# Altium PCB isg_eos_control_board_xem3001.PcbDoc (part 2 of 2)
Units mil, origin at the board's own origin, x right, y up, seen from the top; angles counter-clockwise.
Board outline 9600 x 4600 mil, 4 copper layers (Top Layer, MidLayer 1, MidLayer 2, Bottom Layer), stack 23.756 mil thick; 157 components, 171 nets, 862 pads, 253 vias.
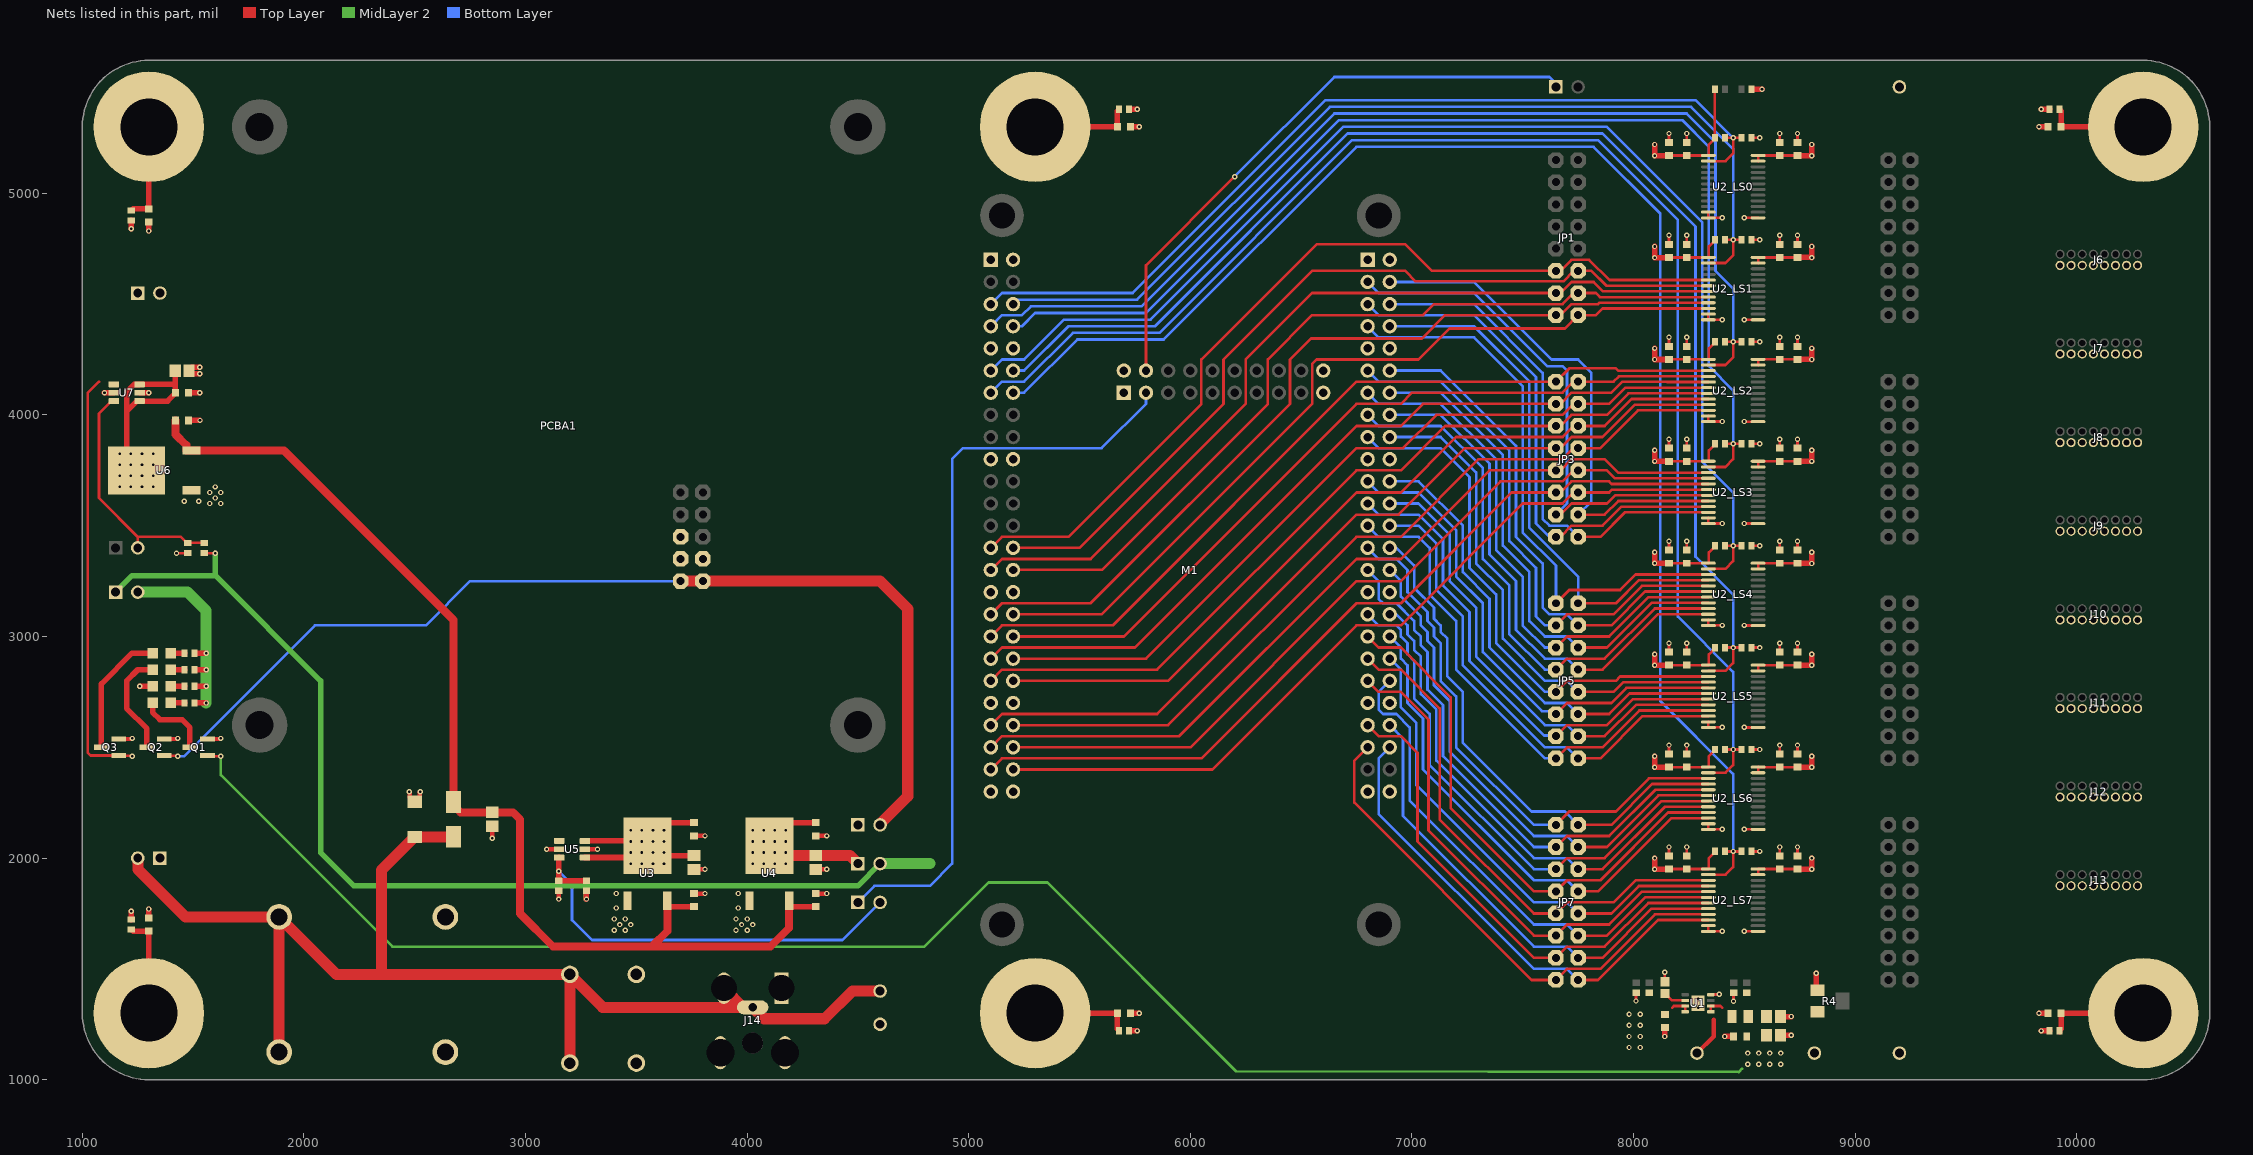
[diagram p4: the nets of this part, all layers, seen from the top]

## Via types
v1: diameter 24, hole 11.81, Top Layer to Bottom Layer, tented both sides, 253 vias

## Nets (pads, with @x,y where several pads share a name; then routed paths per layer and width w, separated by ;. In a path a pad name is that pad's centre, name@x,y a point inside that pad or via, vN(x,y) a via of type N, cw(c..) or ccw(c..) an arc to the next point about the centre after c; other vN are vias at no path point) (continued)
FPGA_IO_10: JP1.11 M1.Y27 U2_LS1.5 | length 4030.8
  Top Layer w12: M1.Y27@5100,3400 5150,3450 5450,3450 6050,4050 6050,4250 6570,4770 6970,4770 7090,4650 JP1.11@7650,4650 7670,4650 7720,4700 7800,4700 7891.61,4608.39 U2_LS1.5@8337.8,4608.39
FPGA_IO_11: JP1.12 M1.Y28 U2_LS1.6 | length 3839.5
  Top Layer w12: M1.Y28@5200,3400 5500,3400 6150,4050 6150,4250 6550,4650 6970,4650 7017,4603 7683,4603 7730,4650 JP1.12@7750,4650 7810,4650 7877.2,4582.8 U2_LS1.6@8337.8,4582.8
FPGA_IO_12: JP1.13 M1.Y29 U2_LS1.7 | length 3911.2
  Top Layer w12: M1.Y29@5100,3300 5150,3350 5550,3350 6250,4050 6250,4250 6550,4550 JP1.13@7650,4550 7670,4550 7720,4600 7820,4600 7862.8,4557.2 U2_LS1.7@8337.8,4557.2
FPGA_IO_13: JP1.14 M1.Y30 U2_LS1.8 | length 3780.3
  Top Layer w12: M1.Y30@5200,3300 5200.5,3300.5 5600.5,3300.5 6350,4050 6350,4250 6550,4450 7050,4450 7100,4500 7680,4500 7730,4550 JP1.14@7750,4550 7830,4550 7848.39,4531.61 U2_LS1.8@8337.8,4531.61
FPGA_IO_14: JP1.15 M1.Y33 U2_LS1.9 | length 3937.3
  Top Layer w12: M1.Y33@5100,3100 5150,3150 5550,3150 6450,4050 6450,4250 6544.5,4344.5 7044.5,4344.5 7150,4450 JP1.15@7650,4450 7670,4450 7720,4500 7840,4500 7846.02,4506.02 U2_LS1.9@8337.8,4506.02
FPGA_IO_15: JP1.16 M1.Y34 U2_LS1.10 | length 3815
  Top Layer w12: M1.Y34@5200,3100 5600,3100 6550,4050 6550,4230 6570,4250 7030,4250 7170,4390 7690,4390 JP1.16@7750,4450 7830,4450 7860.43,4480.43 U2_LS1.10@8337.8,4480.43
FPGA_IO_16: JP3.1 M1.Y35 U2_LS2.3 | length 3743.3
  Top Layer w12: M1.Y35@5100,3000 5150,3050 5650,3050 6750,4150 JP3.1@7650,4150 7710,4210 7920,4210 7930.43,4199.57 U2_LS2.3@8337.8,4199.57
FPGA_IO_17: JP3.2 M1.Y36 U2_LS2.4 | length 3624.1
  Top Layer w12: M1.Y36@5200,3000 5700,3000 6750,4050 6950,4050 7000,4100 7680,4100 7730,4150 JP3.2@7750,4150 7910,4150 7933.98,4173.98 U2_LS2.4@8337.8,4173.98
FPGA_IO_18: JP3.3 M1.Y37 U2_LS2.5 | length 3756.2
  Top Layer w12: M1.Y37@5100,2900 5150,2950 5750,2950 6750,3950 6950,3950 7050,4050 JP3.3@7650,4050 7670,4050 7720,4100 7900,4100 7950,4150 8149.56,4150 8151.18,4148.39 U2_LS2.5@8337.8,4148.39
FPGA_IO_19: JP3.4 M1.Y38 U2_LS2.6 | length 3644.3
  Top Layer w12: M1.Y38@5200,2900 5800,2900 6750,3850 6960,3850 7110,4000 7680,4000 7730,4050 JP3.4@7750,4050 7890,4050 7962.8,4122.8 U2_LS2.6@8337.8,4122.8
FPGA_IO_20: JP3.5 M1.Y39 U2_LS2.7 | length 3775.1
  Top Layer w12: M1.Y39@5100,2800 5150,2850 5850,2850 6750,3750 6950,3750 7150,3950 JP3.5@7650,3950 7670,3950 7720,4000 7880,4000 7977.2,4097.2 U2_LS2.7@8337.8,4097.2
FPGA_IO_21: JP3.6 M1.Y40 U2_LS2.8 | length 3664.5
  Top Layer w12: M1.Y40@5200,2800 5900,2800 6750,3650 6950,3650 7200,3900 7680,3900 7730,3950 JP3.6@7750,3950 7870,3950 7991.61,4071.61 U2_LS2.8@8337.8,4071.61
FPGA_IO_22: JP3.7 M1.Y43 U2_LS2.9 | length 3836.8
  Top Layer w12: M1.Y43@5100,2600 5150,2650 5850,2650 6750,3550 6940,3550 7240,3850 JP3.7@7650,3850 7670,3850 7720,3900 7860,3900 8006.02,4046.02 U2_LS2.9@8337.8,4046.02
FPGA_IO_23: JP3.8 M1.Y44 U2_LS2.10 | length 3726.2
  Top Layer w12: M1.Y44@5200,2600 5900,2600 6750,3450 6950,3450 7300,3800 7680,3800 7730,3850 JP3.8@7750,3850 7850,3850 8020.43,4020.43 U2_LS2.10@8337.8,4020.43
FPGA_IO_24: JP3.9 M1.Y45 U2_LS3.3 | length 3801.3
  Top Layer w12: M1.Y45@5100,2500 5150,2550 5950,2550 6750,3350 6950,3350 7350,3750 JP3.9@7650,3750 7670,3750 7720,3800 7870,3800 7930.43,3739.57 U2_LS3.3@8337.8,3739.57
FPGA_IO_25: JP3.10 M1.Y46 U2_LS3.4 | length 3670.5
  Top Layer w12: M1.Y46@5200,2500 6000,2500 6750,3250 6950,3250 7400,3700 7680,3700 7730,3750 JP3.10@7750,3750 7880,3750 7916.02,3713.98 U2_LS3.4@8337.8,3713.98
FPGA_IO_26: JP3.11 M1.Y47 U2_LS3.5 | length 3781.1
  Top Layer w12: M1.Y47@5100,2400 5150,2450 6050,2450 6750,3150 6950,3150 7450,3650 JP3.11@7650,3650 7670,3650 7720,3700 7890,3700 7901.61,3688.39 U2_LS3.5@8337.8,3688.39
FPGA_IO_27: JP3.12 M1.Y48 U2_LS3.6 | length 3660.9
  Top Layer w12: M1.Y48@5200,2400 6100,2400 6750,3050 6950,3050 7500,3600 7680,3600 7730,3650 JP3.12@7750,3650 7890,3650 7902.8,3662.8 U2_LS3.6@8337.8,3662.8
FPGA_IO_28: JP3.13 M1.X3 U2_LS3.7 | length 2460.3
  Top Layer w12: JP3.13@7650,3550 7670,3550 7720,3600 7880,3600 7917.2,3637.2 U2_LS3.7@8337.8,3637.2
  Bottom Layer w12: M1.X3@6800,4600 6850,4550 7280,4550 7610,4220 7680,4220 7700,4200 7700,3600 JP3.13@7650,3550
FPGA_IO_29: JP3.14 M1.X4 U2_LS3.8 | length 2378
  Top Layer w12: JP3.14@7730,3550 JP3.14@7750,3550 7870,3550 7931.61,3611.61 U2_LS3.8@8337.8,3611.61
  Bottom Layer w12: M1.X4@6900,4600 7280,4600 7630,4250 7750,4250 7810,4190 7810,3610 JP3.14@7750,3550
FPGA_IO_30: JP3.15 M1.X5 U2_LS3.9 | length 2415.7
  Top Layer w12: JP3.15@7650,3450 7670,3450 7720,3500 7860,3500 7946.02,3586.02 U2_LS3.9@8337.8,3586.02
  Bottom Layer w12: M1.X5@6800,4500 6850,4450 7280,4450 7560,4170 7560,3510 7620,3450 JP3.15@7650,3450
FPGA_IO_31: JP3.16 M1.X6 U2_LS3.10 | length 2305.1
  Top Layer w12: JP3.16@7750,3450 7850,3450 7960.43,3560.43 U2_LS3.10@8337.8,3560.43
  Bottom Layer w12: M1.X6@6900,4500 7280,4500 7590,4190 7590,3530 7620,3500 7700,3500 JP3.16@7750,3450
FPGA_IO_32: JP5.1 M1.X7 U2_LS4.3 | length 2595.8
  Top Layer w12: JP5.1@7650,3150 7710,3210 7940,3210 8010,3280 8135.15,3280 8135.59,3279.57 U2_LS4.3@8337.8,3279.57
  Bottom Layer w12: M1.X7@6800,4400 6850,4350 7280,4350 7500,4130 7500,3470 7650,3320 JP5.1@7650,3150
FPGA_IO_33: JP5.2 M1.X8 U2_LS4.4 | length 2455.5
  Top Layer w12: JP5.2@7750,3150 7920,3150 8023.98,3253.98 U2_LS4.4@8337.8,3253.98
  Bottom Layer w12: M1.X8@6900,4400 7280,4400 7530,4150 7530,3490 7750,3270 JP5.2@7750,3150
FPGA_IO_34: JP5.3 M1.X11 U2_LS4.5 | length 2457.1
  Top Layer w12: JP5.3@7650,3050 7700,3100 7910,3100 8038.39,3228.39 U2_LS4.5@8337.8,3228.39
  Bottom Layer w12: M1.X11@6800,4200 6850,4150 7130,4150 7440,3840 7440,3430 7560,3310 7560,3090 7600,3050 JP5.3@7650,3050
FPGA_IO_35: JP5.4 M1.X12 U2_LS4.6 | length 2334.8
  Top Layer w12: JP5.4@7750,3050 7900,3050 8052.8,3202.8 U2_LS4.6@8337.8,3202.8
  Bottom Layer w12: M1.X12@6900,4200 7130,4200 7470,3860 7470,3450 7590,3330 7590,3130 7620,3100 7700,3100 JP5.4@7750,3050
FPGA_IO_36: JP5.5 M1.X13 U2_LS4.7 | length 2477.3
  Top Layer w12: JP5.5@7650,2950 7700,3000 7890,3000 8067.2,3177.2 U2_LS4.7@8337.8,3177.2
  Bottom Layer w12: M1.X13@6800,4100 6850,4050 7130,4050 7380,3800 7380,3390 7500,3270 7500,3050 7600,2950 JP5.5@7650,2950
FPGA_IO_37: JP5.6 M1.X14 U2_LS4.8 | length 2366.7
  Top Layer w12: JP5.6@7750,2950 7880,2950 8081.61,3151.61 U2_LS4.8@8337.8,3151.61
  Bottom Layer w12: M1.X14@6900,4100 7130,4100 7410,3820 7410,3410 7530,3290 7530,3070 7600,3000 7700,3000 JP5.6@7750,2950
FPGA_IO_38: JP5.7 M1.X15 U2_LS4.9 | length 2497.5
  Top Layer w12: JP5.7@7650,2850 7700,2900 7870,2900 8096.02,3126.02 U2_LS4.9@8337.8,3126.02
  Bottom Layer w12: M1.X15@6800,4000 6850,3950 7130,3950 7320,3760 7320,3350 7440,3230 7440,3010 7600,2850 JP5.7@7650,2850
FPGA_IO_39: JP5.8 M1.X16 U2_LS4.10 | length 2386.9
  Top Layer w12: JP5.8@7750,2850 7860,2850 8110.43,3100.43 U2_LS4.10@8337.8,3100.43
  Bottom Layer w12: M1.X16@6900,4000 7130,4000 7350,3780 7350,3370 7470,3250 7470,3030 7600,2900 7700,2900 JP5.8@7750,2850
FPGA_IO_40: JP5.9 M1.X17 U2_LS5.3 | length 2412
  Top Layer w12: JP5.9@7650,2750 7700,2800 7920,2800 7939.57,2819.57 U2_LS5.3@8337.8,2819.57
  Bottom Layer w12: M1.X17@6800,3900 6850,3850 7130,3850 7260,3720 7260,3310 7380,3190 7380,2970 7600,2750 JP5.9@7650,2750
FPGA_IO_41: JP5.10 M1.X18 U2_LS5.4 | length 2301.4
  Top Layer w12: JP5.10@7750,2750 7910,2750 7953.98,2793.98 U2_LS5.4@8337.8,2793.98
  Bottom Layer w12: M1.X18@6900,3900 7130,3900 7290,3740 7290,3330 7410,3210 7410,2990 7600,2800 7700,2800 JP5.10@7750,2750
FPGA_IO_42: JP5.11 M1.X21 U2_LS5.5 | length 2273.6
  Top Layer w12: JP5.11@7650,2650 7700,2700 7900,2700 7968.39,2768.39 U2_LS5.5@8337.8,2768.39
  Bottom Layer w12: M1.X21@6800,3700 6850,3650 7030,3650 7200,3480 7200,3270 7320,3150 7320,2930 7587,2663 7637,2663 JP5.11@7650,2650
FPGA_IO_43: JP5.12 M1.X22 U2_LS5.6 | length 2163
  Top Layer w12: JP5.12@7750,2650 7890,2650 7982.8,2742.8 U2_LS5.6@8337.8,2742.8
  Bottom Layer w12: M1.X22@6900,3700 7030,3700 7230,3500 7230,3290 7350,3170 7350,2950 7600,2700 7700,2700 JP5.12@7750,2650
FPGA_IO_44: JP5.13 M1.X23 U2_LS5.7 | length 2293.9
  Top Layer w12: JP5.13@7650,2550 7700,2600 7880,2600 7997.2,2717.2 U2_LS5.7@8337.8,2717.2
  Bottom Layer w12: M1.X23@6800,3600 6850,3550 7030,3550 7140,3440 7140,3230 7260,3110 7260,2890 7597,2553 7647,2553 JP5.13@7650,2550
FPGA_IO_45: JP5.14 M1.X24 U2_LS5.8 | length 2183.3
  Top Layer w12: JP5.14@7750,2550 7870,2550 8011.61,2691.61 U2_LS5.8@8337.8,2691.61
  Bottom Layer w12: M1.X24@6900,3600 7030,3600 7170,3460 7170,3250 7290,3130 7290,2910 7600,2600 7700,2600 JP5.14@7750,2550
FPGA_IO_46: JP5.15 M1.X25 U2_LS5.9 | length 2314.1
  Top Layer w12: JP5.15@7650,2450 7700,2500 7860,2500 8026.02,2666.02 U2_LS5.9@8337.8,2666.02
  Bottom Layer w12: M1.X25@6800,3500 6850,3450 7030,3450 7080,3400 7080,3190 7200,3070 7200,2850 7600,2450 JP5.15@7650,2450
FPGA_IO_47: JP5.16 M1.X26 U2_LS5.10 | length 2203.5
  Top Layer w12: JP5.16@7750,2450 7850,2450 8040.43,2640.43 U2_LS5.10@8337.8,2640.43
  Bottom Layer w12: M1.X26@6900,3500 7030,3500 7110,3420 7110,3210 7230,3090 7230,2870 7600,2500 7700,2500 JP5.16@7750,2450
FPGA_IO_48: JP7.1 M1.X27 U2_LS6.3 | length 2482.1
  Top Layer w12: JP7.1@7650,2150 7710,2210 7920,2210 8069.57,2359.57 U2_LS6.3@8337.8,2359.57
  Bottom Layer w12: M1.X27@6800,3400 6850,3350 6930,3350 6980,3300 6980,3200 7070,3110 7070,3070 7100,3040 7100,3000 7130,2970 7130,2800 7200,2730 7200,2500 7550,2150 JP7.1@7650,2150
FPGA_IO_49: JP7.2 M1.X28 U2_LS6.4 | length 2371.5
  Top Layer w12: JP7.2@7750,2150 7900,2150 8083.98,2333.98 U2_LS6.4@8337.8,2333.98
  Bottom Layer w12: M1.X28@6900,3400 6930,3400 7010,3320 7010,3220 7100,3130 7100,3080 7130,3050 7130,3020 7160,2990 7160,2820 7230,2750 7230,2520 7540,2210 7690,2210 JP7.2@7750,2150
FPGA_IO_50: JP7.3 M1.X29 U2_LS6.5 | length 2490.6
  Top Layer w12: JP7.3@7650,2050 7700,2100 7890,2100 8098.39,2308.39 U2_LS6.5@8337.8,2308.39
  Bottom Layer w12: M1.X29@6800,3300 6850,3250 6850,3170 6870,3150 6930,3150 7010,3070 7010,3030 7040,3000 7040,2960 7070,2930 7070,2760 7140,2690 7140,2460 7550,2050 JP7.3@7650,2050
FPGA_IO_51: JP7.4 M1.X30 U2_LS6.6 | length 2374.2
  Top Layer w12: JP7.4@7750,2050 7880,2050 8112.8,2282.8 U2_LS6.6@8337.8,2282.8
  Bottom Layer w12: M1.X30@6900,3300 6950,3250 6950,3180 7040,3090 7040,3050 7070,3020 7070,2980 7100,2950 7100,2780 7170,2710 7170,2480 7550,2100 7700,2100 JP7.4@7750,2050
FPGA_IO_52: JP7.5 M1.X33 U2_LS6.7 | length 2422.6
  Top Layer w12: JP7.5@7650,1950 7700,2000 7870,2000 8127.2,2257.2 U2_LS6.7@8337.8,2257.2
  Bottom Layer w12: M1.X33@6800,3100 6850,3050 6930,3050 6950,3030 6950,3000 6980,2970 6980,2920 7010,2890 7010,2720 7080,2650 7080,2420 7550,1950 JP7.5@7650,1950
FPGA_IO_53: JP7.6 M1.X34 U2_LS6.8 | length 2312
  Top Layer w12: JP7.6@7750,1950 7860,1950 8141.61,2231.61 U2_LS6.8@8337.8,2231.61
  Bottom Layer w12: M1.X34@6900,3100 6900.5,3099.5 6930.5,3099.5 6980,3050 6980,3010 7010,2980 7010,2940 7040,2910 7040,2740 7110,2670 7110,2440 7550,2000 7700,2000 JP7.6@7750,1950
FPGA_IO_54: JP7.7 M1.X35 U2_LS6.9 | length 2454.5
  Top Layer w12: M1.X35@6800,3000 6850,2950 6950,2950 7175,2725 7175,2225 7550,1850 JP7.7@7650,1850 7700,1900 7850,1900 8156.02,2206.02 U2_LS6.9@8337.8,2206.02
FPGA_IO_55: JP7.8 M1.X36 U2_LS6.10 | length 2314.6
  Top Layer w12: JP7.8@7750,1850 7840,1850 8170.43,2180.43 U2_LS6.10@8337.8,2180.43
  Bottom Layer w12: M1.X36@6900,3000 6950,2950 6950,2900 6980,2870 6980,2700 7050,2630 7050,2400 7550,1900 7700,1900 JP7.8@7750,1850
FPGA_IO_56: JP7.9 M1.X37 U2_LS7.3 | length 2369
  Top Layer w12: M1.X37@6800,2900 6850,2850 6950,2850 7125,2675 7125,2175 7550,1750 JP7.9@7650,1750 7700,1800 7910,1800 8009.57,1899.57 U2_LS7.3@8337.8,1899.57
FPGA_IO_57: JP7.10 M1.X38 U2_LS7.4 | length 2229.1
  Top Layer w12: JP7.10@7750,1750 7900,1750 8023.98,1873.98 U2_LS7.4@8337.8,1873.98
  Bottom Layer w12: M1.X38@6900,2900 6950,2850 6950,2680 7020,2610 7020,2330 7550,1800 7700,1800 JP7.10@7750,1750
FPGA_IO_58: JP7.11 M1.X39 U2_LS7.5 | length 2389.2
  Top Layer w12: M1.X39@6800,2800 6850,2750 6950,2750 7075,2625 7075,2125 7550,1650 JP7.11@7650,1650 7700,1700 7890,1700 8038.39,1848.39 U2_LS7.5@8337.8,1848.39
FPGA_IO_59: JP7.12 M1.X40 U2_LS7.6 | length 2325.9
  Top Layer w12: JP7.12@7750,1650 7880,1650 8052.8,1822.8 U2_LS7.6@8337.8,1822.8
  Bottom Layer w12: M1.X40@6900,2800 6850,2750 6850,2670 6870,2650 6930,2650 6990,2590 6990,2260 7550,1700 7700,1700 JP7.12@7750,1650
FPGA_IO_60: JP7.13 M1.X43 U2_LS7.7 | length 2309.4
  Top Layer w12: M1.X43@6800,2600 6850,2550 6950,2550 7025,2475 7025,2075 7550,1550 JP7.13@7650,1550 7700,1600 7870,1600 8067.2,1797.2 U2_LS7.7@8337.8,1797.2
FPGA_IO_61: JP7.14 M1.X44 U2_LS7.8 | length 2169.5
  Top Layer w12: JP7.14@7750,1550 7860,1550 8081.61,1771.61 U2_LS7.8@8337.8,1771.61
  Bottom Layer w12: M1.X44@6900,2600 6960,2540 6960,2190 7550,1600 7700,1600 JP7.14@7750,1550
FPGA_IO_62: JP7.15 M1.X45 U2_LS7.9 | length 2326.6
  Top Layer w12: M1.X45@6800,2500 6740,2440 6740,2250 7540,1450 JP7.15@7650,1450 7700,1500 7850,1500 8096.02,1746.02 U2_LS7.9@8337.8,1746.02
FPGA_IO_63: JP7.16 M1.X46 U2_LS7.10 | length 2231.2
  Top Layer w12: JP7.16@7750,1450 7840,1450 8110.43,1720.43 U2_LS7.10@8337.8,1720.43
  Bottom Layer w12: M1.X46@6900,2500 6850,2450 6850,2200 7550,1500 7700,1500 JP7.16@7750,1450
FPGA_IO_!OE: M1.Z4 P4.1 | length 2710.7
  Top Layer w12: M1.Z4@5800,4200 5800,4675 v1(6200,5075)
  Bottom Layer w12: v1(6200,5075) 6650,5525 7620,5525 P4.1@7665,5480
FPGA_PLL_EN: M1.Z3 P5.1 | length 3351
  Bottom Layer w12: P5.1@4500,1800 4575,1875 4825,1875 4925,1975 4925,3800 4975,3850 5600,3850 5800,4050 M1.Z3@5800,4100
GND: C1.2 C2.2 C3.2 C4.2 C5.2 C6_LS0.2 C6_LS1.2 C6_LS2.2 C6_LS3.2 C6_LS4.2 C6_LS5.2 C6_LS6.2 C6_LS7.2 C7_LS0.2 C7_LS1.2 C7_LS2.2 C7_LS3.2 C7_LS4.2 C7_LS5.2 C7_LS6.2 C7_LS7.2 C8_LS0.2 C8_LS1.2 C8_LS2.2 C8_LS3.2 C8_LS4.2 C8_LS5.2 C8_LS6.2 C8_LS7.2 C9_LS0.2 C9_LS1.2 C9_LS2.2 C9_LS3.2 C9_LS4.2 C9_LS5.2 C9_LS6.2 C9_LS7.2 C10.2 C11.2 C12.2 C13.2 C14.2 C15.2 C16.2 C17.2 C18.2 C19.2 C20.2 C21.2 C22.2 C23.2 C24.2 C25.2 D2.2 DS2.2 J3.1 J4.1 J6.1 J6.3 J6.5 J6.7 J6.9 J6.11 J6.13 J6.15 J7.1 J7.3 J7.5 J7.7 J7.9 J7.11 J7.13 J7.15 J8.1 J8.3 J8.5 J8.7 J8.9 J8.11 J8.13 J8.15 J9.1 J9.3 J9.5 J9.7 J9.9 J9.11 J9.13 J9.15 J10.1 J10.3 J10.5 J10.7 J10.9 J10.11 J10.13 J10.15 J11.1 J11.3 J11.5 J11.7 J11.9 J11.11 J11.13 J11.15 J12.1 J12.3 J12.5 J12.7 J12.9 J12.11 J12.13 J12.15 J13.1 J13.3 J13.5 J13.7 J13.9 J13.11 J13.13 J13.15 J14.1 J14.4 J14.5 M1.X1 M1.X2 M1.X19 M1.X20 M1.X31 M1.X32 M1.X49 M1.X50 M1.Y1 M1.Y2 M1.Y19 M1.Y20 M1.Y31 M1.Y32 M1.Y49 M1.Y50 M1.Z19 M1.Z20 P2.1 P7.1 PCBA1.3 PCBA1.4 PCBA1.6 Q1.2 Q2.2 Q3.2 R4.1 R5.1 R6.1 R8_LS0.2 R8_LS1.2 R8_LS2.2 R8_LS3.2 R8_LS4.2 R8_LS5.2 R8_LS6.2 R8_LS7.2 R9.2 R10.2 R11.2 R12.2 R13.2 R14.2 R18.2 R21.2 R23.2 TP3.1 TP4.1 TP5.1 U1.4 U1.9 U2_LS0.11 U2_LS0.12 U2_LS0.13 U2_LS1.11 U2_LS1.12 U2_LS1.13 U2_LS2.11 U2_LS2.12 U2_LS2.13 U2_LS3.11 U2_LS3.12 U2_LS3.13 U2_LS4.11 U2_LS4.12 U2_LS4.13 U2_LS5.11 U2_LS5.12 U2_LS5.13 U2_LS6.11 U2_LS6.12 U2_LS6.13 U2_LS7.11 U2_LS7.12 U2_LS7.13 U3.1 U4.1 U5.2 U5.5 U6.1 U7.2 U7.5 | length 4935.2
  Top Layer w12: v1(1425,3375) 1472.64,3375 R23.2@1475,3377.36 ; v1(8011.5,1355) R5.1@8011.5,1392.36 ; C5.2@8141.5,1441.57 v1(8141.5,1485) ; C6_LS7.2@8160,2009.53 v1(8160,2050) ; C6_LS6.2@8160,2469.53 v1(8160,2510) ; C6_LS5.2@8160,2929.53 v1(8160,2970) ; C6_LS4.2@8160,3389.53 v1(8160,3430) ; C6_LS3.2@8160,3849.53 v1(8160,3890) ; C6_LS2.2@8160,4309.53 v1(8160,4350) ; C6_LS1.2@8160,4769.53 v1(8160,4810) ; C6_LS0.2@8160,5229.53 v1(8160,5270) ; C7_LS7.2@8240,2009.53 v1(8240,2050) ; C7_LS6.2@8240,2469.53 v1(8240,2510) ; C7_LS5.2@8240,2929.53 v1(8240,2970) ; C7_LS4.2@8240,3389.53 v1(8240,3430) ; C7_LS3.2@8240,3849.53 v1(8240,3890) ; C7_LS2.2@8240,4309.53 v1(8240,4350) ; C7_LS1.2@8240,4769.53 v1(8240,4810) ; C7_LS0.2@8240,5229.53 v1(8240,5270) ; U2_LS7.12@8337.8,1669.25 U2_LS7.12@8338.14,1669.59 ; U2_LS6.12@8337.8,2129.25 U2_LS6.12@8338.14,2129.59 ; U2_LS5.12@8337.8,2589.25 U2_LS5.12@8338.14,2589.59 ; U2_LS4.12@8337.8,3049.25 U2_LS4.12@8338.14,3049.59 ; U2_LS3.12@8337.8,3509.25 U2_LS3.12@8338.14,3509.59 ; U2_LS2.12@8337.8,3969.25 U2_LS2.12@8338.14,3969.59 ; U2_LS1.12@8337.8,4429.25 U2_LS1.12@8338.14,4429.59 ; U2_LS0.12@8337.8,4889.25 U2_LS0.12@8338.14,4889.59 ; U2_LS7.11@8338.14,1694.5 U2_LS7.11@8337.8,1694.84 8337.8,1669.93 U2_LS7.12@8338.14,1669.59 ; U2_LS6.11@8338.14,2154.5 U2_LS6.11@8337.8,2154.84 8337.8,2129.93 U2_LS6.12@8338.14,2129.59 ; U2_LS5.11@8338.14,2614.5 U2_LS5.11@8337.8,2614.84 8337.8,2589.93 U2_LS5.12@8338.14,2589.59 ; U2_LS4.11@8338.14,3074.5 U2_LS4.11@8337.8,3074.84 8337.8,3049.93 U2_LS4.12@8338.14,3049.59 ; U2_LS3.11@8338.14,3534.5 U2_LS3.11@8337.8,3534.84 8337.8,3509.93 U2_LS3.12@8338.14,3509.59 ; U2_LS2.11@8338.14,3994.5 U2_LS2.11@8337.8,3994.84 8337.8,3969.93 U2_LS2.12@8338.14,3969.59 ; U2_LS1.11@8338.14,4454.5 U2_LS1.11@8337.8,4454.84 8337.8,4429.93 U2_LS1.12@8338.14,4429.59 ; U2_LS0.11@8338.14,4914.5 U2_LS0.11@8337.8,4914.84 8337.8,4889.93 U2_LS0.12@8338.14,4889.59 ; U1.4@8349.09,1383.39 8349.9,1384.19 8385.69,1384.19 v1(8386.5,1385) ; v1(8400,1670) 8370,1670 8369.59,1669.59 U2_LS7.12@8338.14,1669.59 ; v1(8400,2130) 8370,2130 8369.59,2129.59 U2_LS6.12@8338.14,2129.59 ; v1(8400,2590) 8370,2590 8369.59,2589.59 U2_LS5.12@8338.14,2589.59 ; v1(8400,3050) 8370,3050 8369.59,3049.59 U2_LS4.12@8338.14,3049.59 ; v1(8400,3510) 8370,3510 8369.59,3509.59 U2_LS3.12@8338.14,3509.59 ; v1(8400,3970) 8370,3970 8369.59,3969.59 U2_LS2.12@8338.14,3969.59 ; v1(8400,4430) 8370,4430 8369.59,4429.59 U2_LS1.12@8338.14,4429.59 ; v1(8400,4890) 8370,4890 8369.59,4889.59 U2_LS0.12@8338.14,4889.59 ; v1(8451.09,1354.6) 8451.29,1354.8 8451.29,1392.16 R6.1@8451.5,1392.36 ; v1(8500,1670) 8500.41,1669.59 8561.86,1669.59 U2_LS7.13@8562.2,1669.25 ; v1(8500,2130) 8500.41,2129.59 8561.86,2129.59 U2_LS6.13@8562.2,2129.25 ; v1(8500,2590) 8500.41,2589.59 8561.86,2589.59 U2_LS5.13@8562.2,2589.25 ; v1(8500,3050) 8500.41,3049.59 8561.86,3049.59 U2_LS4.13@8562.2,3049.25 ; v1(8500,3510) 8500.41,3509.59 8561.86,3509.59 U2_LS3.13@8562.2,3509.25 ; v1(8500,3970) 8500.41,3969.59 8561.86,3969.59 U2_LS2.13@8562.2,3969.25 ; v1(8500,4430) 8500.41,4429.59 8561.86,4429.59 U2_LS1.13@8562.2,4429.25 ; v1(8500,4890) 8500.41,4889.59 8561.86,4889.59 U2_LS0.13@8562.2,4889.25 ; R8_LS7.2@8532.64,2030 v1(8570,2030) ; R8_LS6.2@8532.64,2490 v1(8570,2490) ; R8_LS5.2@8532.64,2950 v1(8570,2950) ; R8_LS4.2@8532.64,3410 v1(8570,3410) ; R8_LS3.2@8532.64,3870 v1(8570,3870) ; R8_LS2.2@8532.64,4330 v1(8570,4330) ; R8_LS1.2@8532.64,4790 v1(8570,4790) ; R8_LS0.2@8532.64,5250 v1(8570,5250) ; C9_LS7.2@8660,2009.53 v1(8660,2050) ; C9_LS6.2@8660,2469.53 v1(8660,2510) ; C9_LS5.2@8660,2929.53 v1(8660,2970) ; C9_LS4.2@8660,3389.53 v1(8660,3430) ; C9_LS3.2@8660,3849.53 v1(8660,3890) ; C9_LS2.2@8660,4309.53 v1(8660,4350) ; C9_LS1.2@8660,4769.53 v1(8660,4810) ; C9_LS0.2@8660,5229.53 v1(8660,5270) ; C8_LS7.2@8740,2009.53 v1(8740,2050) ; C8_LS6.2@8740,2469.53 v1(8740,2510) ; C8_LS5.2@8740,2929.53 v1(8740,2970) ; C8_LS4.2@8740,3389.53 v1(8740,3430) ; C8_LS3.2@8740,3849.53 v1(8740,3890) ; C8_LS2.2@8740,4309.53 v1(8740,4350) ; C8_LS1.2@8740,4769.53 v1(8740,4810) ; C8_LS0.2@8740,5229.53 v1(8740,5270)
  Top Layer w20: Q3.2@1174.37,2537.4 1222.4,2537.4 v1(1225,2540) ; Q2.2@1379.68,2537.4 1427.72,2537.4 v1(1430.31,2540) ; Q1.2@1564.37,2537.4 1622.4,2537.4 v1(1625,2540) ; v1(2475,2300) 2475,2298.92 2477.72,2296.2 2477.72,2271.89 2495.28,2254.33 D2.2@2500,2254.33 2504.72,2254.33 2522.28,2271.89 2522.28,2296.2 2525,2298.92 v1(2525,2300) ; v1(2850,2090) C21.2@2850,2143.5 ; v1(3095,2040) U5.2@3151.93,2040 ; v1(3150,1815) R21.2@3150,1852.36 ; U5.5@3268.07,2040 v1(3325,2040) ; C20.2@3760,1839.53 3760.24,1839.76 3809.76,1839.76 v1(3810,1840) ; C11.2@3760,2100.47 3760.24,2100.24 3809.76,2100.24 v1(3810,2100) ; C12.2@3767.74,1940.77 C12.2@3760,1948.5 3760.75,1949.25 3809.25,1949.25 v1(3810,1950) ; C22.2@4310,1839.53 4310.24,1839.76 4359.76,1839.76 v1(4360,1840) ; C16.2@4310,1948.5 4310.75,1949.25 4359.25,1949.25 v1(4360,1950) ; C15.2@4310,2100.47 4310.47,2100 v1(4360,2100)